# KiCad board 0xaxe.kicad_pcb (continued)
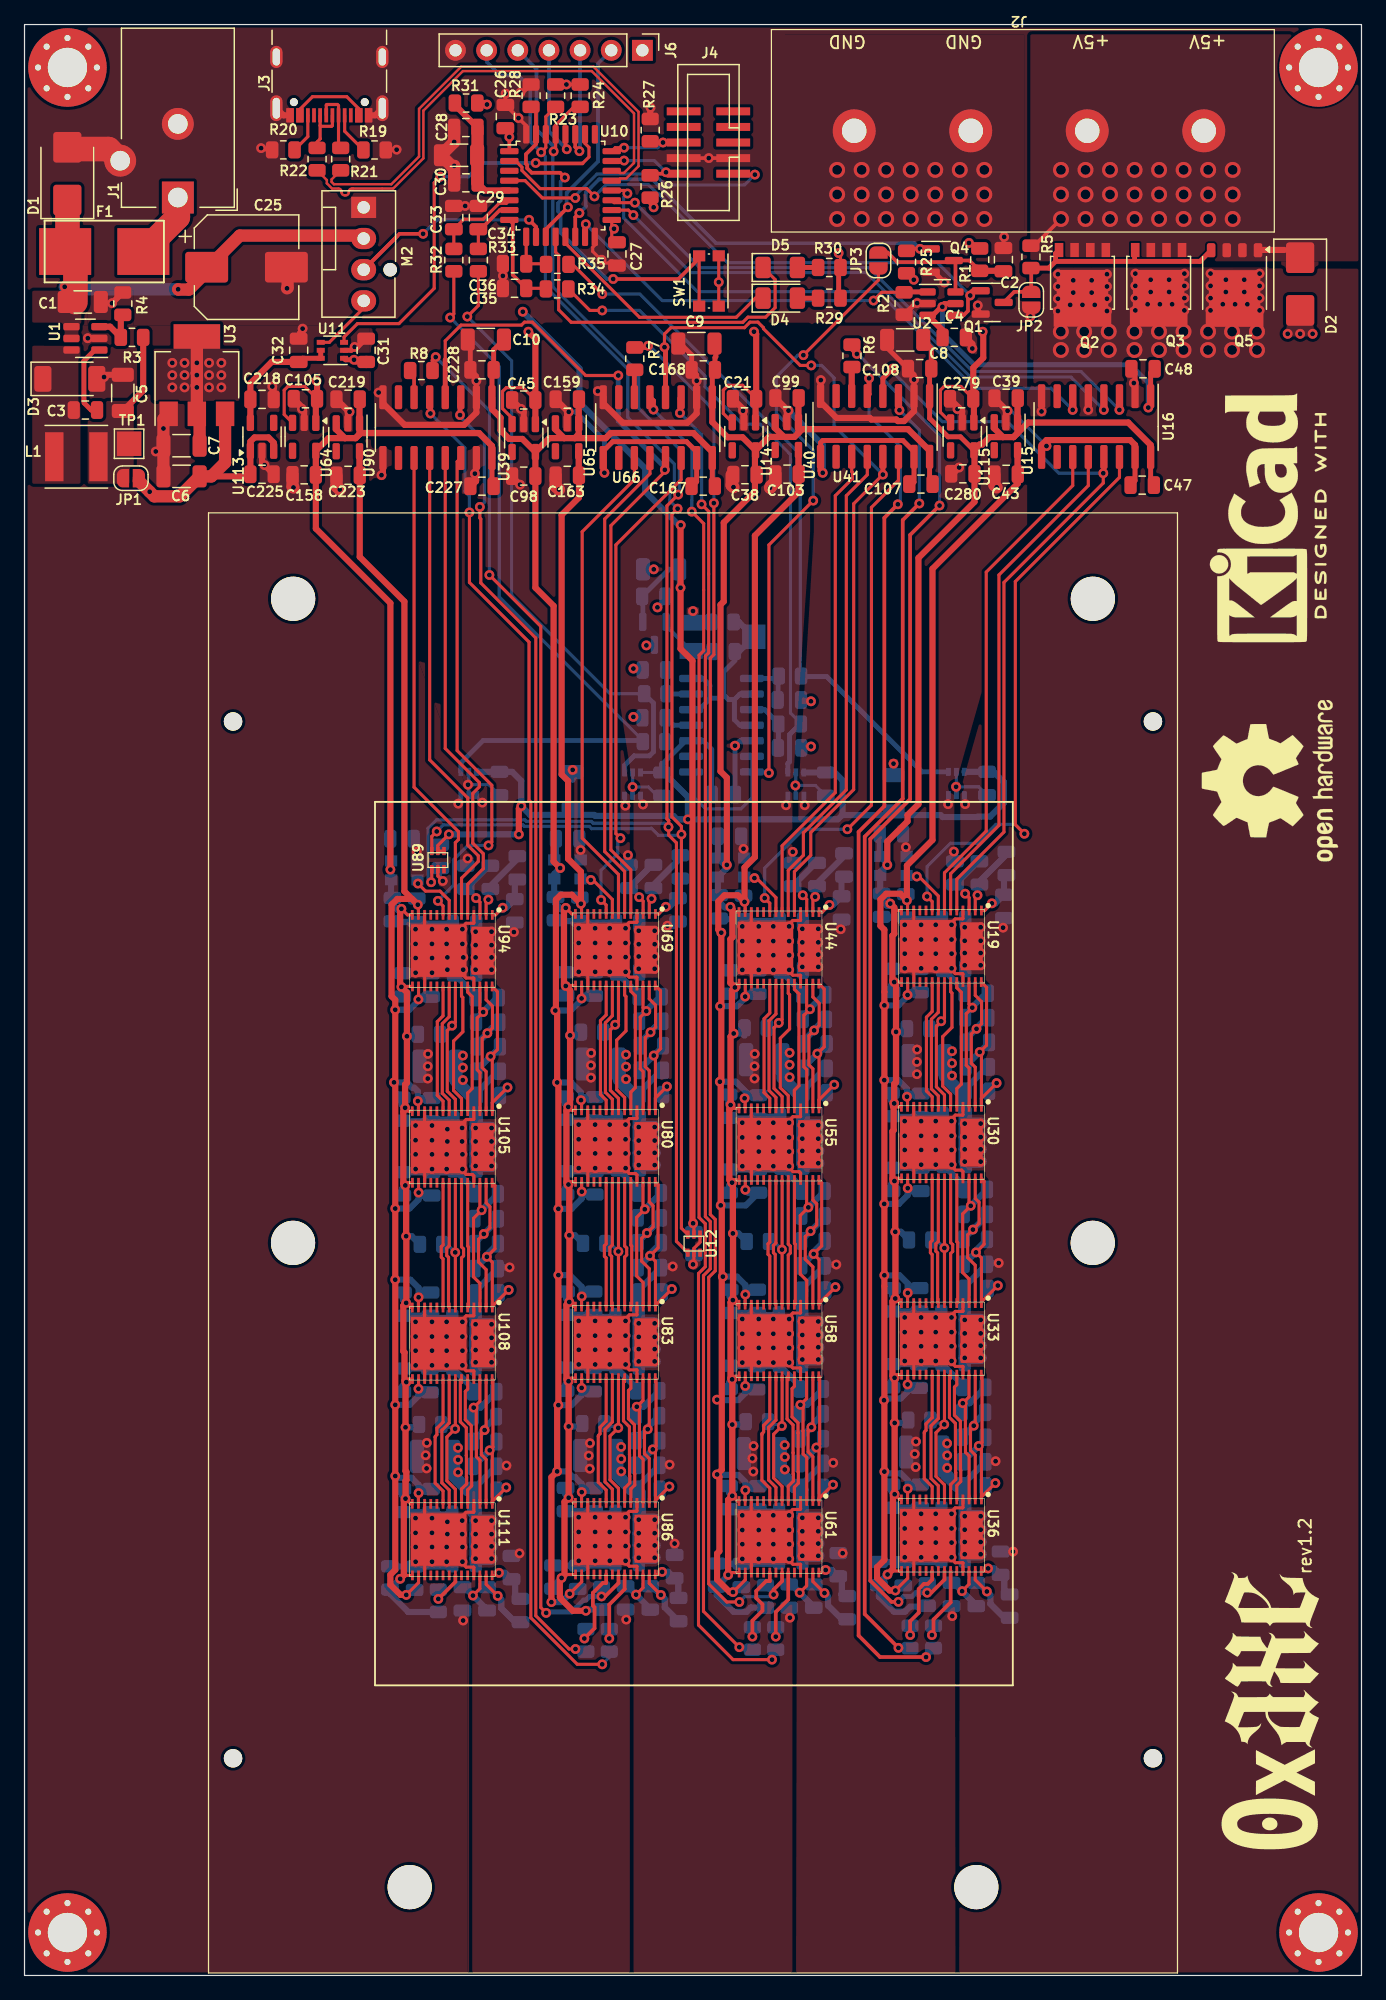
[diagram p0: board, top side]
## Placement (name value [footprint] x y rotation side) (continued)
REF**#4  -  [KiCad-Logo2_8mm_SilkScreen]  100.58 118.79 90 top
REF**#5  -  [MountingHole_3.2mm_M3_Pad_Via]  105.5 3.5 0 top
REF**#6  -  [dynatron-a38-cpu-cooler]  54.5 59.7 180 top
REF**#7  -  [MountingHole_3.2mm_M3_Pad_Via]  3.5 155.5 0 top
REF**#8  -  [stencil-registration]  17 102.2 0 top
REF**#9  -  [OSHW-Logo2_14.6x12mm_SilkScreen]  101.53 97.37 90 top
REF**#10  -  [MountingHole_3.2mm_M3_Pad_Via]  105.5 155.5 0 top
REF**#11  -  [MountingHole_3.7mm]  87.09 59.71 0 top
REF**#12  -  [stencil-registration]  92 17.7 0 top
REF**#13  -  [stencil-registration]  92 102.2 0 top
RV1  10k  [Potentiometer_Bourns_3214X_Vertical]  56.9 109.1 270 bottom  (not fitted)
SW1  boot  [SW_Push_1P1T_NO_CK_KMR2]  55.8 138.1 90 top
TP1  3V3  [TestPoint_Pad_2.0x2.0mm]  8.52 124.83 180 top
U1  AP3211  [SOT-23-6]  4.96 133.42 180 top
U2  74LVC1G175  [SOT-23-6]  74.76 136.26 0 top
U3  1117-3.3  [SOT-223-3_TabPin2]  14.05 130.42 90 top
U4  INA500DCK  [SOT-363_SC-70-6]  75.97 97.15 90 bottom
U5  INA500DCK  [SOT-363_SC-70-6]  62.88 97.1 90 bottom
U6  INA500DCK  [SOT-363_SC-70-6]  49.57 97.1 90 bottom
U7  INA500DCK  [SOT-363_SC-70-6]  36.22 97.15 90 bottom
U8  ISL21080CIH315Z-TK  [SOT-23]  51.36 109.38 270 bottom
U9  LM339  [SOIC-14_3.9x8.7mm_P1.27mm]  56.82 101.9 0 bottom
U10  STM32L072KZT6  [LQFP-32_7x7mm_P0.8mm]  43.7 145.88 0 top
U11  TXU0101  [SOT-363_SC-70-6]  25.1 132.45 180 top
U12  TMP1075  [TMP1075-DRL]  54.57 59.65 90 top
U13  25MHz  [Oscillator_SMD_EuroQuartz_XO32-4Pin_3.2x2.5mm]  70.84 90.43 270 bottom
U14  MCP1824T-1802E  [SOT-23-5]  58.65 125.44 270 top
U15  NCP114ASN080T1G  [SOT-23-5]  80.01 125.45 270 top
U16  ADUM141E0BRZ-RL7  [SOIC-16_3.9x9.9mm_P1.27mm]  87.36 126.23 270 top
U19  BM1366_mode1  [BM1366-user1-soldermask]  74.75 83.88 270 top
U30  BM1366_mode1  [BM1366-user1-soldermask]  74.75 67.88 270 top
U33  BM1366_mode1  [BM1366-user1-soldermask]  74.75 51.88 270 top
U36  BM1366_mode1  [BM1366-user1-soldermask]  74.75 35.88 270 top
U38  25MHz  [Oscillator_SMD_EuroQuartz_XO32-4Pin_3.2x2.5mm]  57.6 90.3 270 bottom
U39  MCP1824T-1802E  [SOT-23-5]  40.7 125.3 270 top
U40  NCP114ASN080T1G  [SOT-23-5]  62.15 125.46 270 top
U41  ADUM141E0BRZ-RL7  [SOIC-16_3.9x9.9mm_P1.27mm]  69.34 126.25 270 top
U44  BM1366_mode1  [BM1366-user1-soldermask]  61.51 83.75 270 top
U55  BM1366_mode1  [BM1366-user1-soldermask]  61.51 67.75 270 top
U58  BM1366_mode1  [BM1366-user1-soldermask]  61.51 51.75 270 top
U61  BM1366_mode1  [BM1366-user1-soldermask]  61.51 35.75 270 top
U63  25MHz  [Oscillator_SMD_EuroQuartz_XO32-4Pin_3.2x2.5mm]  44.26 90.14 270 bottom
U64  MCP1824T-1802E  [SOT-23-5]  22.8 125.4 270 top
U65  NCP114ASN080T1G  [SOT-23-5]  44.23 125.36 270 top
U66  ADUM141E0BRZ-RL7  [SOIC-16_3.9x9.9mm_P1.27mm]  51.62 126.15 270 top
U69  BM1366_mode1  [BM1366-user1-soldermask]  48.17 83.6 270 top
U80  BM1366_mode1  [BM1366-user1-soldermask]  48.17 67.6 270 top
U83  BM1366_mode1  [BM1366-user1-soldermask]  48.17 51.6 270 top
U86  BM1366_mode1  [BM1366-user1-soldermask]  48.17 35.6 270 top
U88  25MHz  [Oscillator_SMD_EuroQuartz_XO32-4Pin_3.2x2.5mm]  30.96 90.07 270 bottom
U89  TMP1075  [TMP1075-DRL]  33.7 90.9 90 top
U90  NCP114ASN080T1G  [SOT-23-5]  26.36 125.36 270 top
U91  ADUM141E0BRZ-RL7  [SOIC-16_3.9x9.9mm_P1.27mm]  33.67 126.15 270 top
U94  BM1366_mode1  [BM1366-user1-soldermask]  34.87 83.52 270 top
U105  BM1366_mode1  [BM1366-user1-soldermask]  34.87 67.52 270 top
U108  BM1366_mode1  [BM1366-user1-soldermask]  34.87 51.52 270 top
U111  BM1366_mode1  [BM1366-user1-soldermask]  34.87 35.52 270 top
U113  NCP718xSN500  [SOT-23-5]  19.36 125.4 90 top
U115  MCP1824T-1802E  [SOT-23-5]  76.45 125.44 270 top

## Library data of the parts
C1-C24 C28-C30 C37-C78 C80 C81 C83-C138 C140 C141 C143-C198 C200 C201 C203-C258 C260 C261 C263-C277 C279 C280 = -: ki_fp_filters: C_*
C25 = -: Distributor: D; Manufacturer: A768KS337M1ELAE019; OrderNr: 399-A768KS337M1ELAE019CT-ND; ki_fp_filters: CP_*
C26 C27 C31-C36 = -: ki_fp_filters: C? C_????_* C_???? SMD*_c Capacitor*
C79 C82 C139 C142 C199 C202 C259 C262 = -: Distributor: D; Manufacturer: GRM32ER60G337ME05K; OrderNr: 490-GRM32ER60G337ME05KCT-ND; ki_fp_filters: C_*
D1 = -: Distributor: D; OrderNr: SMBJ12ALFCT-ND; ki_fp_filters: D?P600*
D2 = -: Distributor: D; OrderNr: SMBJ5.0ALFCT-ND; ki_fp_filters: D?P600*
D3 = -: Distributor: D; OrderNr: 1727-5841-1-ND; ki_fp_filters: TO-???* *_Diode_* *SingleDiode* D_*
D4 D5 = -: ki_fp_filters: LED* LED_SMD:* LED_THT:*
F1 = -: Distributor: D; Manufacturer: 0154.500DR; OrderNr: F1220CT-ND; ki_fp_filters: *Fuse*
J1 = -: Distributor: D; Manufacturer: PJ-102AH; OrderNr: CP-102AH-ND; ki_fp_filters: BarrelJack*
J2 = -: Description: Generic connector, single row, 01x04, script generated (kicad-library-utils/schlib/autogen/connector/); Distributor: D; Manufacturer: YK5110403000G; OrderNr: YK5110403000G-ND; ki_fp_filters: Connector*:*_1x??_*
J3 = -: Datasheet: https://www.usb.org/sites/default/files/documents/usb_type-c.zip; Distributor: D; Manufacturer: USB4105-GF-A; OrderNr: 2073-USB4105-GF-ACT-ND; ki_fp_filters: USB*C*Receptacle*
J4 = -: ki_fp_filters: Connector*:*_2x??_*
J6 = -: Description: Generic connector, single row, 01x07, script generated (kicad-library-utils/schlib/autogen/connector/); ki_fp_filters: Connector*:*_1x??_*
JP1-JP3 = -: Distributor: -; ki_fp_filters: SolderJumper*Open*
L1 = -: Distributor: D; Manufacturer: LQH5BPN4R7NT0L; OrderNr: 490-7779-1-ND; ki_fp_filters: Choke_* *Coil* Inductor_* L_*
M2 = -: Datasheet: http://www.formfactors.org/developer%5Cspecs%5Crev1_2_public.pdf; Distributor: D; Manufacturer: 0470531000; OrderNr: WM4330-ND; ki_fp_filters: FanPinHeader*P2.54mm*Vertical* PinHeader*P2.54mm*Vertical* TerminalBlock*
Q1 Q4 = -: Datasheet: https://www.onsemi.com/pub/Collateral/BSS138-D.PDF; ki_fp_filters: SOT?23*
Q2 Q3 Q5 = -: Datasheet: http://www.aosmd.com/res/data_sheets/AON6411.pdf; Distributor: D; OrderNr: TPH1R712MDL1QCT-ND; ki_fp_filters: AO*DFN*8*1EP*5.55x5.2mm*P1.27mm*EP4.12x4.6mm*
R1 R2 R5-R18 R23-R35 R38-R41 R44-R47 R50-R53 R56-R59 = -: ki_fp_filters: R_*
R3 = -: Distributor: D; Manufacturer: RC0805FR-0749K9L; OrderNr: 311-49.9KCRCT-ND; ki_fp_filters: R_*
R4 = -: Distributor: D; Manufacturer: RMCF0805FT7K15; OrderNr: RMCF0805FT7K15CT-ND; ki_fp_filters: R_*
R19-R22 = -: ki_fp_filters: R_* R_*
R60 = -: Description: Resistor, small symbol; Distributor: D; Manufacturer: RMCF0805FT3K92; OrderNr: RMCF0805FT3K92CT-ND; ki_fp_filters: R_*
R61 = -: Description: Resistor, small symbol; Distributor: D; Manufacturer: RC0805FR-076K04L; OrderNr: 311-6.04KCRCT-ND; ki_fp_filters: R_*
RV1 = -: Description: Potentiometer; Distributor: D; Manufacturer: 3214X-1-103E; OrderNr: 3214X-1-103ECT-ND; ki_fp_filters: Potentiometer*
SW1 = -: Distributor: D; Manufacturer: KMR231NG ULC LFS; OrderNr: CKN10284CT-ND
TP1 = -: Distributor: -; ki_fp_filters: Pin* Test*
U1 = -: Distributor: D; Manufacturer: AP3211KTR-G1; OrderNr: AP3211KTR-G1DICT-ND
U2 = -: Datasheet: http://www.ti.com/lit/sg/scyt129e/scyt129e.pdf; Distributor: D; Manufacturer: SN74LVC1G175DBVR; OrderNr: 296-17617-1-ND; ki_fp_filters: SOT* SC*
U3 = -: Datasheet: https://www.diodes.com/assets/Datasheets/AZ1117.pdf; Distributor: D; Manufacturer: LM1117IMPX-3.3/NOPB; OrderNr: LM1117IMPX-3.3/NOPBCT-ND; ki_fp_filters: SOT?223* SOT?89* TO?220* TO?252* TO?263*
U4-U7 = -: Distributor: D; Manufacturer: INA500AIDCKR; OrderNr: 296-INA500AIDCKRCT-ND
U8 = -: Distributor: D; Manufacturer: ISL21080CIH325Z-TK; OrderNr: ISL21080CIH325Z-TKCT-ND; ki_fp_filters: SOT?23*
U9 = -: Datasheet: https://www.st.com/resource/en/datasheet/lm139.pdf; Distributor: D; Manufacturer: LM339DR; OrderNr: 296-1013-1-ND; ki_fp_filters: SOIC*3.9x8.7mm*P1.27mm* TSSOP*4.4x5mm*P0.65mm*
U10 = -: Distributor: D; OrderNr: 497-19668-ND; ki_fp_filters: LQFP*7x7mm*P0.8mm*
U11 = -: Distributor: D; Manufacturer: TXU0101DCKR; OrderNr: 296-TXU0101DCKRCT-ND
U12 U89 = -: Distributor: D; Manufacturer: TMP1075NDRLR; OrderNr: 296-TMP1075NDRLRCT-ND
U13 U38 U63 U88 = -: Datasheet: https://abracon.com/Oscillators/ASDMB.pdf; ki_fp_filters: Oscillator*SMD*Abracon*ASDMB*2.5x2.0mm*
U14 U39 U64 U115 = -: Datasheet: https://ww1.microchip.com/downloads/en/DeviceDoc/22070a.pdf; OrderNr: MCP1824T-1802E/OTCT-ND; Distributor: D; Manufacturer: MCP1824T-1802E/OT
U15 U40 U65 U90 = -: Distributor: D; OrderNr: 488-NCP114ASN080T1GCT-ND; ki_fp_filters: OnSemi*XDFN4*1EP*1.0x1.0mm*
U16 U41 U66 U91 = -: Datasheet: https://www.analog.com/media/en/technical-documentation/data-sheets/ADUM1410_1411_1412.pdf; Distributor: D; OrderNr: 505-ADUM141E0BRZ-RL7CT-ND; ki_fp_filters: SOIC*7.5x10.3mm*P1.27mm*
U19 U30 U33 U36 U44 U55 U58 U61 U69 U80 U83 U86 U94 U105 U108 U111 = -: Distributor: X
U113 = -: Datasheet: https://www.onsemi.com/pub/Collateral/NCP718-D.PDF; Description: 300-mA, Wide Input Voltage, Low-IQ LDO, 5.0V, SOT-23; Distributor: D; Manufacturer: NCP718BSN500T1G; OrderNr: NCP718BSN500T1GOSCT-ND; ki_fp_filters: SOT?23*

## Footprints (pads in the part's own frame, mm; a bottom-side part is the same pattern mirrored in y, then rotated)
BarrelJack_CUI_PJ-102AH_Horizontal
  rect 2.6x2.6 hole 1.6: 1(0,0)
  round 2.6 hole 1.6: 2(0,-6) 3(4.7,-3)
BARRIER-TERMINAL-ANYTEK-4pol
  round 3.5 hole 2: 1(-14.75,0) 2(-5.25,0) 3(4.25,0) 4(13.75,0)
BM1366-user1-soldermask
  rect 0.792x0.221 smd: 1(-2.916,3.263) 2(-2.916,2.761) 3(-2.916,2.259) 4(-2.916,1.757) 5(-2.916,1.255) 6(-2.916,0.753) 7(-2.916,0.251) 8(-2.916,-0.251) 9(-2.916,-0.753) 10(-2.916,-1.255) 11(-2.916,-1.757) 12(-2.916,-2.259) 13(-2.916,-2.761) 14(-2.916,-3.263) 15(2.916,-3.25) 16(2.916,-2.75) 17(2.916,-2.25) 18(2.916,-1.75) 19(2.916,-1.25) 20(2.916,-0.753) 21(2.916,-0.25) 22(2.916,0.251) 23(2.916,0.753) 24(2.916,1.255) 25(2.916,1.757) 26(2.916,2.25) 27(2.916,2.761) 28(2.916,3.25)
  rect 3.9x1.81 smd: 29(0,2.468)
  rect 4.277x4.53 smd: 30(0,-1.108)
C_0805_2012Metric
  rrect 1x1.45 smd: 1(-0.95,0) 2(0.95,0)
C_1206_3216Metric
  rrect 1.15x1.8 smd: 1(-1.475,0) 2(1.475,0)
C_1210_3225Metric
  rrect 1.15x2.7 smd: 1(-1.475,0) 2(1.475,0)
CP_Elec_8x10
  rrect 3.5x2.5 smd: 1(-3.25,0) 2(3.25,0)
D_SMB
  rrect 2.5x2.3 smd: 1(-2.15,0) 2(2.15,0)
D_SOD-128
  rrect 1.4x2.1 smd: 1(-2.2,0) 2(2.2,0)
dynatron-a38-cpu-cooler
  round 3.6 hole 3.6 unplated: (-32.6,-52.5) (-23.1,52.5) (23.1,52.5) (32.6,-52.5)
FanPinHeader_1x04_P2.54mm_Vertical
  round 1.1 hole 1.1 unplated: (5.08,2.16)
  rect 1.73x2.03 hole 1.02: 1(0,0)
  oval 1.73x2.03 hole 1.02: 2(2.54,0) 3(5.08,0) 4(7.62,0)
fuseholder_littlefuse_blok
  rect 4.245x3.81 smd: 1(-3.188,0) 2(3.188,0)
L_Taiyo-Yuden_NR-50xx
  rect 1.5x4 smd: 1(-1.8,0) 2(1.8,0)
LED_1206_3216Metric
  rrect 1.25x1.75 smd: 1(-1.4,0) 2(1.4,0)
LFPAK56
  rect 0.6x0.9 smd: (-0.5,1.15) (-0.5,0) (-0.5,-1.15) (0.35,1.15) (0.35,0) (0.35,-1.15) (1.2,1.15) (1.2,0) (1.2,-1.15)
  rect 0.9x0.6 smd: (3.05,1.88) (3.05,0.6) (3.05,-0.6) (3.05,-1.88)
  rect 1.15x0.7 smd: 1(-2.67,1.91) 2(-2.67,0.64) 3(-2.67,-0.64) 4(-2.67,-1.91)
  custom 4.625x4.7 smd: 5(0.6,0)
LFPAK56#2
  rrect 0.6x0.9 smd: (-0.5,1.15) (-0.5,0) (-0.5,-1.15) (0.35,1.15) (0.35,0) (0.35,-1.15) (1.2,1.15) (1.2,0) (1.2,-1.15)
  rrect 0.9x0.6 smd: (3.05,1.88) (3.05,0.6) (3.05,-0.6) (3.05,-1.88)
  rrect 1.15x0.7 smd: 1(-2.67,1.91) 2(-2.67,0.64) 3(-2.67,-0.64) 4(-2.67,-1.91)
  custom 4.625x4.7 smd: 5(0.6,0)
LQFP-32_7x7mm_P0.8mm
  rrect 1.5x0.5 smd: 1(-4.175,2.8) 2(-4.175,2) 3(-4.175,1.2) 4(-4.175,0.4) 5(-4.175,-0.4) 6(-4.175,-1.2) 7(-4.175,-2) 8(-4.175,-2.8) 17(4.175,-2.8) 18(4.175,-2) 19(4.175,-1.2) 20(4.175,-0.4) 21(4.175,0.4) 22(4.175,1.2) 23(4.175,2) 24(4.175,2.8)
  rrect 0.5x1.5 smd: 9(-2.8,-4.175) 10(-2,-4.175) 11(-1.2,-4.175) 12(-0.4,-4.175) 13(0.4,-4.175) 14(1.2,-4.175) 15(2,-4.175) 16(2.8,-4.175) 25(2.8,4.175) 26(2,4.175) 27(1.2,4.175) 28(0.4,4.175) 29(-0.4,4.175) 30(-1.2,4.175) 31(-2,4.175) 32(-2.8,4.175)
MountingHole_3.2mm_M3_Pad_Via
  round 0.8 hole 0.5: 1(-2.4,0) 1(-1.697,1.697) 1(-1.697,-1.697) 1(0,2.4) 1(0,-2.4) 1(1.697,1.697) 1(1.697,-1.697) 1(2.4,0)
  round 6.4 hole 3.2: 1(0,0)
MountingHole_3.7mm
  round 3.6 hole 3.6 unplated: (0,0)
Oscillator_SMD_EuroQuartz_XO32-4Pin_3.2x2.5mm
  rect 0.9x1 smd: 1(-0.775,1.075) 2(-0.775,-1.075) 3(0.775,-1.075) 4(0.775,1.075)
PinHeader_1x07_P2.54mm_Vertical
  rect 1.7x1.7 hole 1: 1(0,0)
  oval 1.7x1.7 hole 1: 2(0,-2.54) 3(0,-5.08) 4(0,-7.62) 5(0,-10.16) 6(0,-12.7) 7(0,-15.24)
PinHeader_IDC_2x05_P1.27mm_Vertical_SMD
  rect 2.76x0.65 smd: 1(-2.02,2.54) 2(2.02,2.54) 3(-2.02,1.27) 4(2.02,1.27) 5(-2.02,0) 6(2.02,0) 7(-2.02,-1.27) 8(2.02,-1.27) 9(-2.02,-2.54) 10(2.02,-2.54)
Potentiometer_Bourns_3214X_Vertical
  rect 1.3x1.9 smd: 1(1.15,2.55) 3(-1.15,2.55)
  rect 2x1.9 smd: 2(0,-2.55)
R_0805_2012Metric
  rrect 1.025x1.4 smd: 1(-0.912,0) 2(0.912,0)
SOIC-14_3.9x8.7mm_P1.27mm
  rrect 1.95x0.6 smd: 1(-2.475,3.81) 2(-2.475,2.54) 3(-2.475,1.27) 4(-2.475,0) 5(-2.475,-1.27) 6(-2.475,-2.54) 7(-2.475,-3.81) 8(2.475,-3.81) 9(2.475,-2.54) 10(2.475,-1.27) 11(2.475,0) 12(2.475,1.27) 13(2.475,2.54) 14(2.475,3.81)
SOIC-16_3.9x9.9mm_P1.27mm
  rrect 1.95x0.6 smd: 1(-2.475,4.445) 2(-2.475,3.175) 3(-2.475,1.905) 4(-2.475,0.635) 5(-2.475,-0.635) 6(-2.475,-1.905) 7(-2.475,-3.175) 8(-2.475,-4.445) 9(2.475,-4.445) 10(2.475,-3.175) 11(2.475,-1.905) 12(2.475,-0.635) 13(2.475,0.635) 14(2.475,1.905) 15(2.475,3.175) 16(2.475,4.445)
SolderJumper-2_P1.3mm_Open_RoundedPad1.0x1.5mm
  custom 1x1.5 smd: 1(-0.65,0) 2(0.65,0)
SOT-23
  rrect 1.475x0.6 smd: 1(-0.938,0.95) 2(-0.938,-0.95) 3(0.938,0)
SOT-23-5
  rrect 1.325x0.6 smd: 1(-1.137,0.95) 2(-1.137,0) 3(-1.137,-0.95) 4(1.137,-0.95) 5(1.137,0.95)
SOT-23-6
  rrect 1.325x0.6 smd: 1(-1.137,0.95) 2(-1.137,0) 3(-1.137,-0.95) 4(1.137,-0.95) 5(1.137,0) 6(1.137,0.95)
SOT-223-3_TabPin2
  rect 2x1.5 smd: 1(-3.15,2.3) 2(-3.15,0) 3(-3.15,-2.3)
  rect 2x3.8 smd: 2(3.15,0)
SOT-363_SC-70-6
  rect 0.65x0.4 smd: 1(-0.95,0.65) 2(-0.95,0) 3(-0.95,-0.65) 4(0.95,-0.65) 5(0.95,0) 6(0.95,0.65)
stencil-registration
  round 1.5 hole 1.5 unplated: (0,0)
SW_Push_1P1T_NO_CK_KMR2
  rect 0.9x1 smd: 1(-2.05,0.8) 1(2.05,0.8) 2(-2.05,-0.8) 2(2.05,-0.8)
TestPoint_Pad_2.0x2.0mm
  rect 2x2 smd: 1(0,0)
TMP1075-DRL
  rrect 0.67x0.3 smd: 1(-0.74,0.5) 2(-0.74,0) 3(-0.74,-0.5) 4(0.74,-0.5) 5(0.74,0) 6(0.74,0.5)
USB_C_Receptacle_GCT_USB4105-xx-A_16P_TopMnt_Horizontal
  round 0.65 hole 0.65 unplated: (-2.89,2.605) (2.89,2.605)
  rect 0.6x1.15 smd: A1(-3.2,3.68) A4(-2.4,3.68) A9(2.4,3.68) A12(3.2,3.68) B1(3.2,3.68) B4(2.4,3.68) B9(-2.4,3.68) B12(-3.2,3.68)
  rect 0.3x1.15 smd: A5(-1.25,3.68) A6(-0.25,3.68) A7(0.25,3.68) A8(1.25,3.68) B5(1.75,3.68) B6(0.75,3.68) B7(-0.75,3.68) B8(-1.75,3.68)
  oval 1x2.1 hole 0.6x1.7: S1(-4.32,3.105) S1(4.32,3.105)
  oval 1x1.8 hole 0.6x1.4: S1(-4.32,-1.075) S1(4.32,-1.075)

## Nets
+0V8_0: C43.1 C53.2 C55.2 C58.2 C60.2 C61.2 C64.2 C66.2 C68.2 U15.5 U19.13 U19.16 U30.13 U30.16 U33.13 U33.16 U36.13 U36.16
+0V8_1: C103.1 C113.2 C115.2 C118.2 C120.2 C121.2 C124.2 C126.2 C128.2 U40.5 U44.13 U44.16 U55.13 U55.16 U58.13 U58.16 U61.13 U61.16
+0V8_2: C163.1 C173.2 C175.2 C178.2 C180.2 C181.2 C184.2 C186.2 C188.2 U65.5 U69.13 U69.16 U80.13 U80.16 U83.13 U83.16 U86.13 U86.16
+0V8_3: C223.1 C233.2 C235.2 C238.2 C240.2 C241.2 C244.2 C246.2 C248.2 U90.5 U94.13 U94.16 U105.13 U105.16 U108.13 U108.16 U111.13 U111.16
+1V8_0: C8.1 C39.1 C40.1 C47.1 C71.1 C73.1 C75.1 C78.1 C80.1 C83.1 C85.1 C86.1 C108.1 C280.1 R38.2 R39.2 R40.2 R41.2 U13.1 U13.4 U15.1 U15.3 U16.16 U19.14 U19.15 U30.14 U30.15 U33.14 U33.15 U36.14 U36.15 U41.1 U115.5
+1V8_1: C9.1 C38.1 C99.1 C100.1 C107.1 C131.1 C133.1 C135.1 C138.1 C140.1 C143.1 C145.1 C146.1 C168.1 R44.2 R45.2 R46.2 R47.2 U14.5 U38.1 U38.4 U40.1 U40.3 U41.16 U44.14 U44.15 U55.14 U55.15 U58.14 U58.15 U61.14 U61.15 U66.1
+1V8_2: C10.1 C98.1 C159.1 C160.1 C167.1 C191.1 C193.1 C195.1 C198.1 C200.1 C203.1 C205.1 C206.1 C228.1 R50.2 R51.2 R52.2 R53.2 U39.5 U63.1 U63.4 U65.1 U65.3 U66.16 U69.14 U69.15 U80.14 U80.15 U83.14 U83.15 U86.14 U86.15 U91.1
+1V8_3: C158.1 C219.1 C220.1 C227.1 C251.1 C253.1 C255.1 C258.1 C260.1 C263.1 C265.1 C266.1 R56.2 R57.2 R58.2 R59.2 U64.5 U88.1 U88.4 U90.1 U90.3 U91.16 U94.14 U94.15 U105.14 U105.15 U108.14 U108.15 U111.14 U111.15
+3V3: C4.1 C7.1 C11.1 C12.1 C13.1 C14.1 C15.1 C20.1 C22.1 C23.1 C24.1 C26.1 C27.1 C31.1 C37.1 C48.1 C165.1 J6.1 R1.2 R23.1 R24.1 R25.2 R26.2 R29.1 R30.1 R31.2 SW1.2 U2.3 U2.5 U3.2 U4.6 U5.6 U6.6 U7.6 U8.1 U9.3 U10.1 U10.17 U11.1 U12.5 U16.1 U89.4 U89.5
+3V3A: C28.1 C29.1 C30.1 R31.1 U10.5
+5V: C32.1 C218.1 U11.5 U11.6 U113.5
+5V_PWR: C46.2 C49.1 C50.1 C51.1 C54.1 C56.1 C59.1 C62.1 C65.1 C67.1 C69.2 C70.1 C72.1 C74.1 C76.1 C77.1 C79.1 C82.1 C88.2 C89.1 C93.2 C94.1 Q2.5 Q3.5 Q5.5 U4.1 U19.29 U30.29 U33.29 U36.29
+5V_PWR_EXT: D2.1 J2.1 J2.2 Q2.1 Q2.2 Q2.3 Q3.1 Q3.2 Q3.3 Q5.1 Q5.2 Q5.3 R5.2
+6.5V: C6.1 C21.1 C45.1 C105.1 C225.1 C279.1 JP1.2 U3.3 U14.1 U14.3 U39.1 U39.3 U64.1 U64.3 U113.1 U113.3 U115.1 U115.3
+12V: C1.1 C25.1 D1.1 F1.1 M2.2 U1.4 U1.5
/flex/2.5V: R60.1 RV1.1 U8.2
GND: C1.2 C2.2 C4.2 C5.2 C6.2 C7.2 C11.2 C12.2 C13.2 C14.2 C15.2 C16.2 C17.2 C18.2 C19.2 C20.2 C22.2 C23.2 C24.2 C25.2 C26.2 C27.2 C28.2 C29.2 C30.2 C31.2 C32.2 C33.2 C34.2 C35.2 C36.2 C37.2 C48.2 C105.2 C158.2 C165.2 C218.2 C219.2 C220.2 C221.1 C223.2 C225.2 C227.2 C230.2 C231.2 C233.1 C234.2 C235.1 C236.2 C238.1 C239.2 C240.1 C241.1 C242.2 C243.2 C244.1 C245.2 C246.1 C247.2 C248.1 C250.2 C251.2 C252.2 C253.2 C254.2 C255.2 C256.2 C258.2 C259.2 C260.2 C262.2 C263.2 C265.2 C266.2 C267.2 C272.2 C277.2 D1.2 D2.2 D3.2 J1.2 J1.3 J2.3 J2.4 J3.A1 J3.A12 J3.B1 J3.B12 J3.S1 J4.3 J4.4 J6.7 JP2.1 M2.1 Q1.2 Q4.2 R2.1 R4.2 R19.1 R20.1 R27.1 R28.1 R61.2 RV1.3 U1.2 U2.2 U3.1 U4.2 U4.5 U5.2 U5.5 U6.2 U6.5 U7.2 U7.3 U7.5 U8.3 U9.12 U10.16 U10.32 U11.2 U12.2 U12.4 U16.2 U16.5 U16.8 U64.2 U88.2 U89.2 U90.2 U91.9 U91.15 U94.4 U94.12 U94.17 U94.25 U94.30 U105.4 U105.12 U105.17 U105.25 U105.30 U108.4 U108.12 U108.17 U108.25 U108.30 U111.4 U111.12 U111.17 U111.25 U111.30 U113.2
V1_G0: C8.2 C39.2 C40.2 C41.1 C43.2 C47.2 C50.2 C51.2 C53.1 C54.2 C55.1 C56.2 C58.1 C59.2 C60.1 C61.1 C62.2 C63.2 C64.1 C65.2 C66.1 C67.2 C68.1 C70.2 C71.2 C72.2 C73.2 C74.2 C75.2 C76.2 C78.2 C79.2 C80.2 C82.2 C83.2 C85.2 C86.2 C87.2 C92.2 C97.2 C106.2 C108.2 C109.1 C110.1 C111.1 C114.1 C116.1 C119.1 C122.1 C125.1 C127.1 C129.2 C130.1 C132.1 C134.1 C136.1 C137.1 C139.1 C142.1 C148.2 C149.1 C153.2 C154.1 C279.2 C280.2 U4.3 U5.1 U13.2 U15.2 U16.9 U16.15 U19.4 U19.12 U19.17 U19.25 U19.30 U30.4 U30.12 U30.17 U30.25 U30.30 U33.4 U33.12 U33.17 U33.25 U33.30 U36.4 U36.12 U36.17 U36.25 U36.30 U41.2 U41.8 U44.29 U55.29 U58.29 U61.29 U115.2
V2_G1: C9.2 C21.2 C38.2 C99.2 C100.2 C101.1 C103.2 C107.2 C110.2 C111.2 C113.1 C114.2 C115.1 C116.2 C118.1 C119.2 C120.1 C121.1 C122.2 C123.2 C124.1 C125.2 C126.1 C127.2 C128.1 C130.2 C131.2 C132.2 C133.2 C134.2 C135.2 C136.2 C138.2 C139.2 C140.2 C142.2 C143.2 C145.2 C146.2 C147.2 C152.2 C157.2 C166.2 C168.2 C169.1 C170.1 C171.1 C174.1 C176.1 C179.1 C182.1 C185.1 C187.1 C189.2 C190.1 C192.1 C194.1 C196.1 C197.1 C199.1 C202.1 C208.2 C209.1 C213.2 C214.1 U5.3 U6.1 U14.2 U38.2 U40.2 U41.9 U41.15 U44.4 U44.12 U44.17 U44.25 U44.30 U55.4 U55.12 U55.17 U55.25 U55.30 U58.4 U58.12 U58.17 U58.25 U58.30 U61.4 U61.12 U61.17 U61.25 U61.30 U66.2 U66.8 U69.29 U80.29 U83.29 U86.29
V3_G2: C10.2 C45.2 C98.2 C159.2 C160.2 C161.1 C163.2 C167.2 C170.2 C171.2 C173.1 C174.2 C175.1 C176.2 C178.1 C179.2 C180.1 C181.1 C182.2 C183.2 C184.1 C185.2 C186.1 C187.2 C188.1 C190.2 C191.2 C192.2 C193.2 C194.2 C195.2 C196.2 C198.2 C199.2 C200.2 C202.2 C203.2 C205.2 C206.2 C207.2 C212.2 C217.2 C226.2 C228.2 C229.1 C230.1 C231.1 C234.1 C236.1 C239.1 C242.1 C245.1 C247.1 C249.2 C250.1 C252.1 C254.1 C256.1 C257.1 C259.1 C262.1 C268.2 C269.1 C273.2 C274.1 U6.3 U7.1 U39.2 U63.2 U65.2 U66.9 U66.15 U69.4 U69.12 U69.17 U69.25 U69.30 U80.4 U80.12 U80.17 U80.25 U80.30 U83.4 U83.12 U83.17 U83.25 U83.30 U86.4 U86.12 U86.17 U86.25 U86.30 U91.2 U91.8 U94.29 U105.29 U108.29 U111.29
/flex/BO_0: R9.2 U41.5
/flex/BO_1: R11.2 U66.5
/flex/BO_2: R13.2 U91.5
/flex/CO_0: R10.2 U41.3
/flex/CO_1: R12.2 U66.3
/flex/CO_2: R14.2 U91.3
/flex/flex1/BO: R9.1 U36.23
/flex/flex1/CLKI: U13.3 U19.8
/flex/flex1/CO: R10.1 U36.20
/flex/flex1/I_BI: U16.12 U19.6
/flex/flex1/I_CI: U16.14 U19.9
/flex/flex1/I_RO: U16.11 U19.7
/flex/flex2/BO: R11.1 U61.23
/flex/flex2/CLKI: U38.3 U44.8
/flex/flex2/CO: R12.1 U61.20
/flex/flex2/I_BI: U41.12 U44.6
/flex/flex2/I_CI: U41.14 U44.9
/flex/flex2/I_RO: U41.11 U44.7
/flex/flex2/RO: R6.2 U41.6
/flex/flex3/BO: R13.1 U86.23
/flex/flex3/CLKI: U63.3 U69.8
/flex/flex3/CO: R14.1 U86.20
/flex/flex3/I_BI: U66.12 U69.6
/flex/flex3/I_CI: U66.14 U69.9
/flex/flex3/I_RO: U66.11 U69.7
/flex/flex3/RO: R7.2 U66.6
/flex/flex4/BO: U111.23
/flex/flex4/CLKI: U88.3 U94.8
/flex/flex4/CO: U111.20
/flex/flex4/I_BI: U91.12 U94.6
/flex/flex4/I_CI: U91.14 U94.9
/flex/flex4/I_NRSTI: U91.13 U94.5
/flex/flex4/I_RO: U91.11 U94.7
/flex/flex4/RI: R59.1 U111.22
/flex/flex4/RO: R8.2 U91.6
/flex/NRSTO_0: U16.13 U19.5 U41.4
/flex/NRSTO_1: U41.13 U44.5 U66.4
/flex/NRSTO_2: U66.13 U69.5 U91.4
/flex/RESET: U10.18 U16.4
/flex/RI_0: R6.1 R41.1 U36.22
/flex/RI_1: R7.1 R47.1 U61.22
/flex/RI_2: R8.1 R53.1 U86.22
/flex/RXD: U10.20 U16.6
/flex/TXD: U10.19 U16.3
/flex/V_FLEX1: R15.1 R35.2 U4.4
/flex/V_FLEX2: R16.1 R34.2 U5.4
/flex/V_FLEX3: R17.1 R33.2 U6.4
/flex/V_FLEX4: R18.1 R32.2 U7.4
/Power/PWR_EN: R2.2 U2.1 U10.15
/Power/Q: Q1.1 U2.4 U10.2
/Power/SHUTDOWN: C2.1 JP3.2 Q4.3 R1.1 U2.6
/stm32/LED1: D5.1 U10.12
/stm32/LED2: D4.1 U10.13
/stm32/NRST: J4.1 U10.4
/stm32/PWM_3V3: U10.26 U11.3
/stm32/PWM_3V3_EXT: J6.2 U10.11
/stm32/SCL: J6.5 R24.2 U10.29 U12.1 U89.1
/stm32/SDA: J6.6 R23.2 U10.30 U12.6 U89.6
/stm32/SPARE1: J6.3 U10.27
/stm32/SPARE2: J6.4 U10.28
/stm32/SWCLK: J4.6 R27.2 U10.24
/stm32/SWDIO: J4.2 R26.1 U10.23
/stm32/TACHO: M2.3 U10.10
/stm32/USB_D+: R22.1 U10.22
/stm32/USB_D-: R21.1 U10.21
/stm32/X: J3.A4 J3.A9 J3.B4 J3.B9
Net-(D3-K): C3.2 D3.1 L1.1 U1.6
Net-(D4-A): D4.2 R29.2
Net-(D5-A): D5.2 R30.2
Net-(F1-Pad2): F1.2 J1.1
Net-(J3-CC1): J3.A5 R19.2
Net-(J3-CC2): J3.B5 R20.2
Net-(J3-D+-PadA6): J3.A6 J3.B6 R22.2
Net-(J3-D--PadA7): J3.A7 J3.B7 R21.2
Net-(JP1-A): C5.1 JP1.1 L1.2 R3.1 TP1.1
Net-(JP2-B): JP2.2 Q1.3 Q2.4 Q3.4 Q5.4 R5.1
Net-(JP3-A): JP3.1 U9.1 U9.2 U9.13 U9.14
Net-(M2-PWM): M2.4 U11.4
Net-(Q4-G): Q4.1 R25.1 U10.14
Net-(U1-BS): C3.1 U1.1
Net-(U1-FB): R3.2 R4.1 U1.3
Net-(U9A-+): R60.2 R61.1 RV1.2 U9.5 U9.7 U9.9 U9.11
Net-(U9A--): C19.1 R18.2 U9.4
Net-(U9B--): C18.1 R17.2 U9.6
Net-(U9C--): C17.1 R16.2 U9.10
Net-(U9D--): C16.1 R15.2 U9.8
Net-(U10-BOOT0): R28.2 SW1.1 U10.31
Net-(U10-PA0): C33.1 R32.1 U10.6
Net-(U10-PA1): C34.1 R33.1 U10.7
Net-(U10-PA2): C35.1 R34.1 U10.8
Net-(U10-PA3): C36.1 R35.1 U10.9
Net-(U19-BO): U19.23 U30.6
Net-(U19-CLKO): U19.21 U30.8
Net-(U19-CO): U19.20 U30.9
Net-(U19-NRSTO): U19.24 U30.5
Net-(U19-RI): R38.1 U19.22 U30.7
Net-(U19-VDD1_0): C44.2 C46.1 U19.1
Net-(U19-VDD1_1): C49.2 C52.2 C69.1 U19.28 U30.1
Net-(U19-VDD2_0): C42.2 C44.1 U19.2
Net-(U19-VDD2_1): C52.1 C57.1 U19.27 U30.2
Net-(U19-VDD3_0): C41.2 C42.1 U19.3
Net-(U19-VDD3_1): C57.2 C63.1 U19.26 U30.3
Net-(U30-BO): U30.23 U33.6
Net-(U30-CLKO): U30.21 U33.8
Net-(U30-CO): U30.20 U33.9
Net-(U30-NRSTO): U30.24 U33.5
Net-(U30-RI): R39.1 U30.22 U33.7
Net-(U30-VDD1_1): C77.2 C81.1 C88.1 U30.28 U33.1
Net-(U30-VDD2_1): C81.2 C84.1 U30.27 U33.2
Net-(U30-VDD3_1): C84.2 C87.1 U30.26 U33.3
Net-(U33-BO): U33.23 U36.6
Net-(U33-CLKO): U33.21 U36.8
Net-(U33-CO): U33.20 U36.9
Net-(U33-NRSTO): U33.24 U36.5
Net-(U33-RI): R40.1 U33.22 U36.7
Net-(U33-VDD1_1): C89.2 C90.1 C93.1 U33.28 U36.1
Net-(U33-VDD2_1): C90.2 C91.1 U33.27 U36.2
Net-(U33-VDD3_1): C91.2 C92.1 U33.26 U36.3
Net-(U36-VDD1_1): C94.2 C95.1 U36.28
Net-(U36-VDD2_1): C95.2 C96.1 U36.27
Net-(U36-VDD3_1): C96.2 C97.1 U36.26
Net-(U44-BI): U44.23 U55.6
Net-(U44-CI): U44.20 U55.9
Net-(U44-CLKI): U44.21 U55.8
Net-(U44-NRSTI): U44.24 U55.5
Net-(U44-RO): R44.1 U44.22 U55.7
Net-(U44-VDD1_0): C104.2 C106.1 U44.1
Net-(U44-VDD1_1): C109.2 C112.2 C129.1 U44.28 U55.1
Net-(U44-VDD2_0): C102.2 C104.1 U44.2
Net-(U44-VDD2_1): C112.1 C117.1 U44.27 U55.2
Net-(U44-VDD3_0): C101.2 C102.1 U44.3
Net-(U44-VDD3_1): C117.2 C123.1 U44.26 U55.3
Net-(U55-BO): U55.23 U58.6
Net-(U55-CLKO): U55.21 U58.8
Net-(U55-CO): U55.20 U58.9
Net-(U55-NRSTO): U55.24 U58.5
Net-(U55-RI): R45.1 U55.22 U58.7
Net-(U55-VDD1_1): C137.2 C141.1 C148.1 U55.28 U58.1
Net-(U55-VDD2_1): C141.2 C144.1 U55.27 U58.2
Net-(U55-VDD3_1): C144.2 C147.1 U55.26 U58.3
Net-(U58-BO): U58.23 U61.6
Net-(U58-CLKO): U58.21 U61.8
Net-(U58-CO): U58.20 U61.9
Net-(U58-NRSTO): U58.24 U61.5
Net-(U58-RI): R46.1 U58.22 U61.7
Net-(U58-VDD1_1): C149.2 C150.1 C153.1 U58.28 U61.1
Net-(U58-VDD2_1): C150.2 C151.1 U58.27 U61.2
Net-(U58-VDD3_1): C151.2 C152.1 U58.26 U61.3
Net-(U61-VDD1_1): C154.2 C155.1 U61.28
Net-(U61-VDD2_1): C155.2 C156.1 U61.27
Net-(U61-VDD3_1): C156.2 C157.1 U61.26
Net-(U69-BO): U69.23 U80.6
Net-(U69-CLKO): U69.21 U80.8
Net-(U69-CO): U69.20 U80.9
Net-(U69-NRSTO): U69.24 U80.5
Net-(U69-RI): R50.1 U69.22 U80.7
Net-(U69-VDD1_0): C164.2 C166.1 U69.1
Net-(U69-VDD1_1): C169.2 C172.2 C189.1 U69.28 U80.1
Net-(U69-VDD2_0): C162.2 C164.1 U69.2
Net-(U69-VDD2_1): C172.1 C177.1 U69.27 U80.2
Net-(U69-VDD3_0): C161.2 C162.1 U69.3
Net-(U69-VDD3_1): C177.2 C183.1 U69.26 U80.3
Net-(U80-BO): U80.23 U83.6
Net-(U80-CLKO): U80.21 U83.8
Net-(U80-CO): U80.20 U83.9
Net-(U80-NRSTO): U80.24 U83.5
Net-(U80-RI): R51.1 U80.22 U83.7
Net-(U80-VDD1_1): C197.2 C201.1 C208.1 U80.28 U83.1
Net-(U80-VDD2_1): C201.2 C204.1 U80.27 U83.2
Net-(U80-VDD3_1): C204.2 C207.1 U80.26 U83.3
Net-(U83-BO): U83.23 U86.6
Net-(U83-CLKO): U83.21 U86.8
Net-(U83-CO): U83.20 U86.9
Net-(U83-NRSTO): U83.24 U86.5
Net-(U83-RI): R52.1 U83.22 U86.7
Net-(U83-VDD1_1): C209.2 C210.1 C213.1 U83.28 U86.1
Net-(U83-VDD2_1): C210.2 C211.1 U83.27 U86.2
Net-(U83-VDD3_1): C211.2 C212.1 U83.26 U86.3
Net-(U86-VDD1_1): C214.2 C215.1 U86.28
Net-(U86-VDD2_1): C215.2 C216.1 U86.27
Net-(U86-VDD3_1): C216.2 C217.1 U86.26
Net-(U94-VDD1_0): C224.2 C226.1 U94.1
Net-(U94-VDD2_0): C222.2 C224.1 U94.2
Net-(U94-VDD3_0): C221.2 C222.1 U94.3
Net-(U105-BI): U94.23 U105.6
Net-(U105-BO): U105.23 U108.6
Net-(U105-CI): U94.20 U105.9
Net-(U105-CLKI): U94.21 U105.8
Net-(U105-CLKO): U105.21 U108.8
Net-(U105-CO): U105.20 U108.9
Net-(U105-NRSTI): U94.24 U105.5
Net-(U105-NRSTO): U105.24 U108.5
Net-(U105-RI): R57.1 U105.22 U108.7
Net-(U105-RO): R56.1 U94.22 U105.7
Net-(U105-VDD1_0): C229.2 C232.2 C249.1 U94.28 U105.1
Net-(U105-VDD1_1): C257.2 C261.1 C268.1 U105.28 U108.1
Net-(U105-VDD2_0): C232.1 C237.1 U94.27 U105.2
Net-(U105-VDD2_1): C261.2 C264.1 U105.27 U108.2
Net-(U105-VDD3_0): C237.2 C243.1 U94.26 U105.3
Net-(U105-VDD3_1): C264.2 C267.1 U105.26 U108.3
Net-(U108-BO): U108.23 U111.6
Net-(U108-CLKO): U108.21 U111.8
Net-(U108-CO): U108.20 U111.9
Net-(U108-NRSTO): U108.24 U111.5
Net-(U108-RI): R58.1 U108.22 U111.7
Net-(U108-VDD1_1): C269.2 C270.1 C273.1 U108.28 U111.1
Net-(U108-VDD2_1): C270.2 C271.1 U108.27 U111.2
Net-(U108-VDD3_1): C271.2 C272.1 U108.26 U111.3
Net-(U111-VDD1_1): C274.2 C275.1 U111.28
Net-(U111-VDD2_1): C275.2 C276.1 U111.27
Net-(U111-VDD3_1): C276.2 C277.1 U111.26

Pads without a net: J3 A8 B8; J4 5 7 8 9 10; REF**#2 1; REF**#5 1; REF**#7 1; REF**#10 1; U10 3 25; U12 3; U14 4; U15 4; U16 7 10; U19 10 11 18 19; U30 10 11 18 19; U33 10 11 18 19; U36 10 11 18 19 21 24; U39 4; U40 4; U41 7 10; U44 10 11 18 19; U55 10 11 18 19; U58 10 11 18 19; U61 10 11 18 19 21 24; U64 4; U65 4; U66 7 10; U69 10 11 18 19; U80 10 11 18 19; U83 10 11 18 19; U86 10 11 18 19 21 24; U89 3; U90 4; U91 7 10; U94 10 11 18 19; U105 10 11 18 19; U108 10 11 18 19; U111 10 11 18 19 21 24; U113 4; U115 4

## Via types
v1: diameter 0.8, hole 0.4, Top to Bottom, 922 vias
v2: diameter 1.3, hole 0.8, Top to Bottom, 63 vias

## Routing (per net, layer and track width the routed paths; a pad name or vN(x,y) marks a point on that pad's centre or on a via; arc(x,y) is an arc through that point)
+0V8_0: length 132.6
  Top w0.254: v1(71.95,71.62) 71.99,71.58 U30.13 ; U36.13 71.99,39.66 v1(72.01,39.68) ; v1(71.94,87.63) 71.99,87.57 U19.13 ; U30.16 72,64.17 v1(72.01,64.16) ; v1(71,31.37) 72,32.38 U36.16 ; v1(71.99,79.91) 72,79.92 U19.16 ; v1(72,48.17) 72,48.18 U33.16 ; v1(72.01,55.63) 71.99,55.61 U33.13
  Top w0.5: C43.1 80.98,121.59 74.02,114.64 74.02,92.54 71.94,90.46 v1(71.94,87.63) 71.4,88.16 70.25,88.16 69.78,87.69 69.78,85.55 70.1,85.22 v1(70.1,79.06) v1(70.1,57.06) v1(70.1,41.06) 70.1,33.86 69.5,33.27 69.5,32.4 70.53,31.37 v1(71,31.37)
  Top w0.508: U15.5 80.96,122.36 C43.1
  In1.Cu w0.508: 72.01,48.18 v1(72,48.17) ; 71.99,64.18 v1(72.01,64.16)
  Bottom w0.5: v1(70.1,79.06) 71.25,79.06 71.99,79.8 v1(71.99,79.91) ; v1(70.07,46.88) 70.21,47.02 71.43,47.02 72,47.58 v1(72,48.17) ; v1(70.1,41.06) 70.25,40.92 71.43,40.92 72.01,40.34 v1(72.01,39.68) ; v1(70.09,72.97) 71.23,72.97 71.95,72.26 v1(71.95,71.62) ; v1(70.1,57.06) 71.34,57.06 72.01,56.4 v1(72.01,55.63) ; v1(70.09,62.88) 71.29,62.88 72.01,63.6 v1(72.01,64.16)
  Bottom w0.508: C58.2 72.25,63.92 v1(72.01,64.16) ; C68.2 72.19,71.87 v1(71.95,71.62) ; C61.2 72.35,40.02 v1(72.01,39.68) ; C66.2 72.28,47.89 v1(72,48.17) ; C55.2 72.21,80.13 v1(71.99,79.91) ; C64.2 72.4,56.02 v1(72.01,55.63) ; v1(71.94,87.63) 71.85,87.71 C53.2
+0V8_1: length 133.5
  Top w0.254: v1(58.77,55.5) 58.75,55.48 U58.13 ; U61.13 58.75,39.53 v1(58.77,39.55) ; v1(58.76,48.04) 58.76,48.05 U58.16 ; U44.13 58.75,87.45 v1(58.7,87.5) ; v1(58.71,71.49) 58.75,71.45 U55.13 ; U61.16 58.76,32.25 v1(57.76,31.25) ; v1(58.75,79.78) 58.76,79.79 U44.16 ; v1(58.77,64.03) 58.76,64.04 U55.16
  Top w0.5: C103.1 63.1,122.35 63.1,120.9 59.55,117.35 59.55,91.14 58.7,90.3 v1(58.7,87.5) 58.16,88.03 57.06,88.03 56.56,87.53 56.56,85.23 v1(56.81,84.99) 56.81,72.96 v1(56.69,72.84) 56.76,72.77 v1(56.76,62.76) 56.85,62.68 56.85,41.22 v1(56.46,40.83) 56.65,40.65 56.65,34.58 56.46,34.39 56.46,32.27 57.49,31.25 v1(57.76,31.25)
  Top w0.508: U40.5 63.1,122.38 C103.1
  In1.Cu w0.5: v1(56.81,84.99) 56.74,84.99 56.46,85.26
  In1.Cu w0.508: 58.77,48.05 v1(58.76,48.04) ; 58.75,64.05 v1(58.77,64.03)
  Bottom w0.5: C128.2 59.1,71.74 58.15,72.69 58.14,72.69 58,72.84 v1(56.69,72.84) ; v1(56.46,46.93) 56.5,46.89 58.19,46.89 58.76,47.46 v1(58.76,48.04) ; C118.2 58.8,62.76 v1(56.76,62.76) ; v1(58.75,79.78) 58.75,79.67 58.57,79.5 58.57,79.49 58.2,79.11 58.19,79.11 58.07,78.99 v1(56.71,78.99) ; v1(56.93,56.96) 58.09,56.96 58.77,56.28 v1(58.77,55.5) ; v1(58.77,39.55) 58.77,40.22 58.19,40.79 56.51,40.79 v1(56.46,40.83)
  Bottom w0.508: v1(58.7,87.5) 58.61,87.58 C113.2 ; C128.2 58.96,71.74 v1(58.71,71.49) ; C115.2 58.97,80 v1(58.75,79.78) ; C126.2 59.04,47.76 v1(58.76,48.04) ; v1(58.77,64.03) 59.01,63.79 C118.2 ; C124.2 59.16,55.89 v1(58.77,55.5) ; C121.2 59.11,39.89 v1(58.77,39.55)
